# Allegro board SDHCalFEB.brd (continued)
## Routing (per net, layer and track width the routed paths; a pad name or vN(x,y) marks a point on that pad's centre or on a via; arc(x,y) is an arc through that point) (continued)
ESD_SIGNAL58_ASIC_D2: length 3.1
  TOP w0.127: U903.3 222.33,23.26 C1189.1 223.81,21.72 R1141.2
ESD_SIGNAL58_ASIC_D3: length 3
  TOP w0.127: U968.3 141.81,21.17 C1276.1 141.82,21.15 R1224.2
ESD_SIGNAL58_ASIC_D4: length 3.1
  TOP w0.127: R1307.2 61.28,21.3 C1363.1 61.26,22.83 U1033.3
ESD_SIGNAL59_ASIC_A1: length 3.1
  TOP w0.127: U59.3 318.2,260.6 R59.2 C59.1
ESD_SIGNAL59_ASIC_A2: length 3.1
  TOP w0.127: C146.1 R143.2 238.21,262.19 U124.3
ESD_SIGNAL59_ASIC_A3: length 3.1
  TOP w0.127: U189.3 158.19,261.6 158.19,261.6 R226.2 158.19,262.8 158.16,262.83 C233.1
ESD_SIGNAL59_ASIC_A4: length 3.1
  TOP w0.127: C320.1 R309.2 78.18,260.61 U254.3
ESD_SIGNAL59_ASIC_B1: length 3.1
  TOP w0.127: U319.3 318.21,180.62 R392.2 C407.1
ESD_SIGNAL59_ASIC_B5: length 3.1
  TOP w0.127: U384.3 238.23,180.62 R476.2 C494.1
ESD_SIGNAL59_ASIC_B6: length 3.1
  TOP w0.127: U449.3 158.21,182.18 R559.2 C581.1
ESD_SIGNAL59_ASIC_B7: length 3.1
  TOP w0.127: U514.3 78.23,180.65 R642.2 C668.1
ESD_SIGNAL59_ASIC_C1: length 3
  TOP w0.127: U579.3 318.24,100.66 R725.2 C755.1
ESD_SIGNAL59_ASIC_C2: length 3.1
  TOP w0.127: U644.3 238.23,100.64 R809.2 238.18,102.25 C842.1
ESD_SIGNAL59_ASIC_C3: length 3.1
  TOP w0.127: C929.1 R892.2 158.24,100.66 U709.3
ESD_SIGNAL59_ASIC_C4: length 3.1
  TOP w0.127: U774.3 78.23,100.66 R975.2 C1016.1
ESD_SIGNAL59_ASIC_D1: length 3
  TOP w0.127: C1103.1 304.3,26.84 R1058.2 305.79,25.3 U839.3
ESD_SIGNAL59_ASIC_D2: length 3
  TOP w0.127: U904.3 225.3,25.48 R1142.2 225.29,27.03 C1190.1
ESD_SIGNAL59_ASIC_D3: length 3
  TOP w0.127: C1277.1 143.19,27.25 R1225.2 144.68,25.71 U969.3
ESD_SIGNAL59_ASIC_D4: length 3.1
  TOP w0.127: U1034.3 64.21,27.2 R1308.2 62.7,27.22 C1364.1
ESD_SIGNAL60_ASIC_A1: length 3.1
  TOP w0.127: U60.3 328.21,260.6 R60.2 328.21,263.68 C60.1
ESD_SIGNAL60_ASIC_A2: length 3.1
  TOP w0.127: U125.3 248.2,261.59 248.18,261.61 R144.2 248.18,263.09 248.17,263.11 C147.1
ESD_SIGNAL60_ASIC_A3: length 3.1
  TOP w0.127: U190.3 168.22,261.58 168.2,261.6 R227.2 168.2,262.8 168.21,262.81 C234.1
ESD_SIGNAL60_ASIC_A4: length 3.1
  TOP w0.127: C321.1 88.21,263.66 R310.2 86.62,262.2 U255.3
ESD_SIGNAL60_ASIC_B1: length 3.1
  TOP w0.127: C408.1 328.22,182.22 R393.2 328.22,180.64 U320.3
ESD_SIGNAL60_ASIC_B5: length 3.1
  TOP w0.127: U385.3 248.23,180.62 R477.2 248.24,182.22 C495.1
ESD_SIGNAL60_ASIC_B6: length 3.1
  TOP w0.127: U450.3 168.22,180.62 R560.2 168.23,182.22 C582.1
ESD_SIGNAL60_ASIC_B7: length 3.1
  TOP w0.127: C669.1 88.22,182.22 R643.2 88.21,180.65 U515.3
ESD_SIGNAL60_ASIC_C1: length 3.1
  TOP w0.127: C756.1 328.22,102.21 R726.2 328.22,100.66 U580.3
ESD_SIGNAL60_ASIC_C2: length 3.1
  TOP w0.127: C843.1 248.21,102.22 R810.2 248.23,100.66 U645.3
ESD_SIGNAL60_ASIC_C3: length 3.1
  TOP w0.127: C930.1 168.25,102.2 R893.2 168.25,100.68 U710.3
ESD_SIGNAL60_ASIC_C4: length 3.1
  TOP w0.127: U775.3 88.24,100.66 R976.2 88.24,102.21 C1017.1
ESD_SIGNAL60_ASIC_D1: length 3.1
  TOP w0.127: U840.3 303.76,29.56 R1059.2 302.27,29.56 C1104.1
ESD_SIGNAL60_ASIC_D2: length 3
  TOP w0.127: U905.3 223.14,29.69 R1143.2 221.65,29.68 C1191.1
ESD_SIGNAL60_ASIC_D3: length 3
  TOP w0.127: U970.3 143.44,29.87 R1226.2 141.95,29.86 C1278.1
ESD_SIGNAL60_ASIC_D4: length 3
  TOP w0.127: C1365.1 61.43,29.84 R1309.2 62.92,29.84 U1035.3
ESD_SIGNAL61_ASIC_A1: length 3.1
  TOP w0.127: U61.3 330.66,269.73 R61.2 330.67,268.84 330.67,268.83 C61.1
ESD_SIGNAL61_ASIC_A2: length 3.2
  TOP w0.127: C148.1 250.69,268.85 250.67,268.86 R145.2 250.1,269.75 250.09,269.76 U126.3
ESD_SIGNAL61_ASIC_A3: length 3.1
  TOP w0.127: U191.3 170.11,269.73 170.12,269.72 R228.2 170.69,268.82 170.69,268.82 C235.1
ESD_SIGNAL61_ASIC_A4: length 3.1
  TOP w0.127: U256.3 89.08,269.72 R311.2 90.69,269.71 C322.1
ESD_SIGNAL61_ASIC_B1: length 3.1
  TOP w0.127: U321.3 329.07,189.73 R394.2 330.65,189.73 C409.1
ESD_SIGNAL61_ASIC_B5: length 3.1
  TOP w0.127: C496.1 250.67,188.24 R478.2 250.66,189.74 U386.3
ESD_SIGNAL61_ASIC_B6: length 3
  TOP w0.127: U451.3 170.65,189.77 R561.2 170.66,188.27 C583.1
ESD_SIGNAL61_ASIC_B7: length 3.1
  TOP w0.127: U516.3 90.67,189.77 R644.2 90.68,188.27 C670.1
ESD_SIGNAL61_ASIC_C1: length 3.1
  TOP w0.127: C757.1 330.68,109.74 R727.2 329.12,109.74 U581.3
ESD_SIGNAL61_ASIC_C2: length 3
  TOP w0.127: U646.3 249.14,109.74 R811.2 250.67,108.26 C844.1
ESD_SIGNAL61_ASIC_C3: length 3
  TOP w0.127: C931.1 170.66,108.28 R894.2 169.13,109.77 U711.3
ESD_SIGNAL61_ASIC_C4: length 3
  TOP w0.127: C1018.1 90.68,108.28 R977.2 90.67,109.76 U776.3
ESD_SIGNAL62_ASIC_A1: length 3.3
  TOP w0.127: C62.1 R62.2 319.89,269.74 319.39,270.25 U62.3
ESD_SIGNAL62_ASIC_A2: length 3
  TOP w0.127: C149.1 R146.2 240.66,270.29 240.65,270.31 U127.3
ESD_SIGNAL62_ASIC_A3: length 3.3
  TOP w0.127: U192.3 160.27,270.95 160.68,270.54 R229.2 160.68,268.83 160.68,268.82 C236.1
ESD_SIGNAL62_ASIC_A4: length 3.1
  TOP w0.127: C323.1 R312.2 80.67,271.34 U257.3
ESD_SIGNAL62_ASIC_B1: length 3.4
  TOP w0.127: C410.1 R395.2 320.68,190.6 320.24,191.04 U322.3
ESD_SIGNAL62_ASIC_B5: length 3.1
  TOP w0.127: U387.3 240.67,189.73 R479.2 C497.1
ESD_SIGNAL62_ASIC_B6: length 3.1
  TOP w0.127: U452.3 160.68,189.76 R562.2 C584.1
ESD_SIGNAL62_ASIC_B7: length 3
  TOP w0.127: U517.3 80.67,189.76 R645.2 C671.1
ESD_SIGNAL62_ASIC_C1: length 3
  TOP w0.127: U582.3 320.68,109.75 R728.2 C758.1
ESD_SIGNAL62_ASIC_C2: length 3
  TOP w0.127: C845.1 R812.2 240.66,111.3 U647.3
ESD_SIGNAL62_ASIC_C3: length 3
  TOP w0.127: U712.3 160.68,109.77 R895.2 C932.1
ESD_SIGNAL62_ASIC_C4: length 3
  TOP w0.127: C1019.1 80.67,108.28 R978.2 80.67,109.77 U777.3
ESD_SIGNAL63_ASIC_A1: length 3.1
  TOP w0.127: C63.1 310.67,269.71 R63.2 310.68,271.3 U63.3
ESD_SIGNAL63_ASIC_A2: length 3
  TOP w0.127: U128.3 229.27,270.41 229.24,270.37 C150.1 229.83,269.74 229.84,269.72 R147.2
ESD_SIGNAL63_ASIC_A3: length 3.1
  TOP w0.127: R230.2 150.67,269.67 C237.1 149.17,271.26 U193.3
ESD_SIGNAL63_ASIC_A4: length 3
  TOP w0.127: U258.3 69.16,271.27 C324.1 70.65,269.74 R313.2
ESD_SIGNAL63_ASIC_B1: length 3.1
  TOP w0.127: R396.2 309.21,189.73 C411.1 309.19,191.33 U323.3
ESD_SIGNAL63_ASIC_B5: length 3.1
  TOP w0.127: U388.3 229.19,189.75 C498.1 230.67,189.74 R480.2
ESD_SIGNAL63_ASIC_B6: length 3.1
  TOP w0.127: U453.3 149.18,189.77 C585.1 149.19,189.75 R563.2
ESD_SIGNAL63_ASIC_B7: length 3.1
  TOP w0.127: R646.2 69.2,189.75 C672.1 69.19,189.77 U518.3
ESD_SIGNAL63_ASIC_C1: length 3.1
  TOP w0.127: U583.3 309.17,111.3 C759.1 309.18,109.74 R729.2
ESD_SIGNAL63_ASIC_C2: length 3.1
  TOP w0.127: C846.1 229.2,109.74 R813.2 230.68,111.28 U648.3
ESD_SIGNAL63_ASIC_C3: length 3.1
  TOP w0.127: U713.3 149.18,109.76 C933.1 150.66,109.76 R896.2
ESD_SIGNAL63_ASIC_C4: length 3.1
  TOP w0.127: U778.3 69.19,109.78 C1020.1 70.68,109.77 R979.2
ESD_SIGNAL64_ASIC_A1: length 3.1
  TOP w0.127: U64.3 303.85,272.18 303.83,272.19 R64.2 C64.1
ESD_SIGNAL64_ASIC_A2: length 3.1
  TOP w0.127: U129.3 223.85,272.2 223.84,272.21 R148.2 C151.1
ESD_SIGNAL64_ASIC_A3: length 3.1
  TOP w0.127: U194.3 144.82,272.19 R231.2 143.23,272.19 C238.1
ESD_SIGNAL64_ASIC_A4: length 3.1
  TOP w0.127: C325.1 R314.2 64.84,272.21 U259.3
ESD_SIGNAL64_ASIC_B1: length 3.1
  TOP w0.127: C412.1 R397.2 304.74,192.21 U324.3
ESD_SIGNAL64_ASIC_B5: length 3.1
  TOP w0.127: U389.3 223.25,192.2 R481.2 C499.1
ESD_SIGNAL64_ASIC_B6: length 3.1
  TOP w0.127: C586.1 R564.2 144.82,192.19 U454.3
ESD_SIGNAL64_ASIC_B7: length 3.1
  TOP w0.127: U519.3 64.78,192.21 R647.2 C673.1
ESD_SIGNAL64_ASIC_C1: length 3
  TOP w0.127: C760.1 R730.2 304.74,112.2 U584.3
ESD_SIGNAL64_ASIC_C2: length 3.1
  TOP w0.127: U649.3 R814.2 223.2,110.73 C847.1
ESD_SIGNAL64_ASIC_C3: length 3.1
  TOP w0.127: C934.1 R897.2 144.77,112.2 U714.3
ESD_SIGNAL64_ASIC_C4: length 3.1
  TOP w0.127: U779.3 64.73,112.2 R980.2 63.22,110.7 C1021.1
GEM_OUT_A1: length 3.6
  TOP w0.127: R1410.2 332.2,321.79 v2(332.2,320.73) 332.2,320.72 R1.1
  GND1 w0.127: v3(332.2,321.46) v2(332.2,320.73)
  GND3 w0.127: v4(332.2,322.2) v3(332.2,321.46)
GEM_OUT_A2: length 3.8
  TOP w0.127: R2.1 332.2,329.77 ; 332.2,329.77 v2(332.2,330.73) ; 332.2,329.77 332.2,329.77 R1384.2
  GND1 w0.127: v3(332.2,331.46) v2(332.2,330.73)
  GND3 w0.127: v4(332.2,332.2) v3(332.2,331.46)
GEM_OUT_A3: length 3.5
  TOP w0.127: R1392.2 322.2,323.67 v2(322.2,323.67) 322.2,323.68 R3.1
  GND1 w0.127: v3(322.2,322.94) v2(322.2,323.67)
  GND3 w0.127: v4(322.2,322.2) v3(322.2,322.94)
GEM_OUT_A4: length 3.9
  TOP w0.127: R1400.2 319.76,332.78 319.76,332.77 R4.1 320.72,332.2 v2(320.73,332.2)
  GND1 w0.127: v3(321.46,332.2) v2(320.73,332.2)
  GND3 w0.127: v4(322.2,332.2) v3(321.46,332.2)
GEM_OUT_A5: length 3.5
  TOP w0.127: R1393.2 312.19,323.66 v2(312.2,323.67) 312.19,323.69 R5.1
  GND1 w0.127: v3(312.2,322.94) v2(312.2,323.67)
  GND3 w0.127: v4(312.2,322.2) v3(312.2,322.94)
GEM_OUT_A6: length 3.9
  TOP w0.127: R1429.2 309.75,332.77 309.76,332.77 R6.1 310.72,332.19 v2(310.73,332.2)
  GND1 w0.127: v3(311.46,332.2) v2(310.73,332.2)
  GND3 w0.127: v4(312.2,332.2) v3(311.46,332.2)
GEM_OUT_A7: length 1.5
  TOP w0.127: R7.1 300.68,324.64 R1640.1
GEM_OUT_A8: length 4
  TOP w0.127: v2(300.73,332.2) 300.72,332.19 R8.1 299.7,333.7 R1431.2
  GND1 w0.127: v3(301.46,332.2) v2(300.73,332.2)
  GND3 w0.127: v4(302.2,332.2) v3(301.46,332.2)
GEM_OUT_A9: length 4
  TOP w0.127: R1446.2 293.69,324.7 R9.1 292.2,324.7 v2(292.2,323.67)
  GND1 w0.127: v3(292.2,322.94) v2(292.2,323.67)
  GND3 w0.127: v4(292.2,322.2) v3(292.2,322.94)
GEM_OUT_A10: length 3.4
  TOP w0.127: R1418.2 292.2,333.67 v2(292.2,333.67) 292.2,333.68 R10.1
  GND1 w0.127: v3(292.2,332.94) v2(292.2,333.67)
  GND3 w0.127: v4(292.2,332.2) v3(292.2,332.94)
GEM_OUT_A11: length 3.4
  TOP w0.127: R1406.2 282.2,332.72 v2(282.2,333.67) 282.2,333.68 R11.1
  GND1 w0.127: v3(282.2,332.94) v2(282.2,333.67)
  GND3 w0.127: v4(282.2,332.2) v3(282.2,332.94)
GEM_OUT_A12: length 3.5
  TOP w0.127: R1415.2 282.2,322.71 v2(282.2,323.67) 282.2,324.12 282.2,324.12 R12.1
  GND1 w0.127: v3(282.2,322.94) v2(282.2,323.67)
  GND3 w0.127: v4(282.2,322.2) v3(282.2,322.94)
GEM_OUT_A13: length 4
  TOP w0.127: v2(273.67,332.2) 274.69,332.2 R13.1 274.7,332.77 274.7,332.78 R1388.2
  GND1 w0.127: v3(272.94,332.2) v2(273.67,332.2)
  GND3 w0.127: v4(272.2,332.2) v3(272.94,332.2)
GEM_OUT_A14: length 3.5
  TOP w0.127: R1438.2 262.2,330.73 v2(262.2,330.73) 262.18,330.71 R14.1
  GND1 w0.127: v3(262.2,331.46) v2(262.2,330.73)
  GND3 w0.127: v4(262.2,332.2) v3(262.2,331.46)
GEM_OUT_A15: length 3.9
  TOP w0.127: v2(283.67,312.2) 283.67,312.2 R15.1 282.7,312.79 282.7,312.8 R1465.2
  GND1 w0.127: v3(282.94,312.2) v2(283.67,312.2)
  GND3 w0.127: v4(282.2,312.2) v3(282.94,312.2)
GEM_OUT_A16: length 3.4
  TOP w0.127: R1417.2 272.7,322.2 v2(273.67,322.2) 273.68,322.19 R16.1
  GND1 w0.127: v3(272.94,322.2) v2(273.67,322.2)
  GND3 w0.127: v4(272.2,322.2) v3(272.94,322.2)
GEM_OUT_A17: length 3.5
  TOP w0.127: R1398.2 263.21,322.2 v2(263.67,322.2) 264.12,322.2 264.13,322.19 R17.1
  GND1 w0.127: v3(262.94,322.2) v2(263.67,322.2)
  GND3 w0.127: v4(262.2,322.2) v3(262.94,322.2)
GEM_OUT_A18: length 39.5
  TOP w0.127: R1461.2 v2(258.37,320.22) 258.37,320.21 R18.1
  GND1 w0.127: v3(259.11,320.22) v2(258.37,320.22)
  SIG3 w0.127: v3(292.2,312.94) 266.39,312.94 v3(259.11,320.22)
  GND3 w0.127: v4(292.2,312.2) v3(292.2,312.94)
GEM_OUT_A19: length 4
  TOP w0.127: v2(273.67,312.2) 273.67,312.2 R19.1 272.66,311.6 272.67,311.6 R1469.2
  GND1 w0.127: v3(272.94,312.2) v2(273.67,312.2)
  GND3 w0.127: v4(272.2,312.2) v3(272.94,312.2)
GEM_OUT_A20: length 3.4
  TOP w0.127: R1473.2 261.25,313.67 v2(262.2,313.67) 263.16,313.67 R20.1
  GND1 w0.127: v3(262.2,312.94) v2(262.2,313.67)
  GND3 w0.127: v4(262.2,312.2) v3(262.2,312.94)
GEM_OUT_A21: length 44.6
  TOP w0.127: R21.1 261.36,311.46 v2(260.38,311.46) 259.39,311.46 R1457.2
  GND1 w0.127: v3(261.11,311.46) v2(260.38,311.46)
  SIG3 w0.127: v3(302.2,311.46) v3(261.11,311.46)
  GND3 w0.127: v4(302.2,312.2) v3(302.2,311.46)
GEM_OUT_A22: length 10
  TOP w0.127: R1427.2 321.28,312.32 321.28,312.32 R22.1 v2(319.66,312.32)
  GND1 w0.127: v2(319.66,312.32) v3(318.92,312.32)
  SIG3 w0.127: v3(318.92,312.32) 313.62,312.32 313.5,312.2 v3(312.95,312.2)
  GND3 w0.127: v4(312.2,312.2) v3(312.95,312.2)
GEM_OUT_A23: length 3.6
  TOP w0.127: R23.1 322.67,310.71 322.66,310.73 v2(322.2,310.73) 321.71,310.73 321.7,310.72 R1453.2
  GND1 w0.127: v3(322.2,311.46) v2(322.2,310.73)
  GND3 w0.127: v4(322.2,312.2) v3(322.2,311.46)
GEM_OUT_A24: length 3.9
  TOP w0.127: R1452.2 332.78,312.19 332.79,312.2 v2(333.67,312.2) 333.67,311.2 R24.1
  GND1 w0.127: v3(332.94,312.2) v2(333.67,312.2)
  GND3 w0.127: v4(332.2,312.2) v3(332.94,312.2)
GEM_OUT_A25: length 24
  TOP w0.127: R1493.2 273.46,304.01 273.45,304.02 R25.1 v2(271.88,304.02)
  GND1 w0.127: v2(271.88,304.02) v3(272.4,304.54)
  SIG3 w0.127: v3(291.55,302.2) 282.56,302.2 280.22,304.54 v3(272.4,304.54)
  GND3 w0.127: v4(292.2,302.2) v3(291.55,302.2)
GEM_OUT_A26: length 10.1
  TOP w0.127: v2(274.57,302.2) 275.56,302.2 R26.1 275.57,301.61 275.57,301.6 R1497.2
  GND1 w0.127: v3(275.31,302.2) v2(274.57,302.2)
  SIG3 w0.127: v3(281.46,302.2) v3(275.31,302.2)
  GND3 w0.127: v4(282.2,302.2) v3(281.46,302.2)
GEM_OUT_A27: length 15.7
  TOP w0.127: R1485.2 v2(322.35,305.26) 322.35,304.3 R27.1
  GND1 w0.127: v3(322.35,304.52) v2(322.35,305.26)
  SIG3 w0.127: v3(322.35,304.52) 321.21,303.38 314.11,303.38 312.94,302.2 v3(311.46,302.2)
  GND3 w0.127: v4(312.2,302.2) v3(311.46,302.2)
GEM_OUT_A28: length 3.5
  TOP w0.127: R1481.2 322.01,302.94 v2(322.94,302.94) 323.97,302.94 R28.1
  GND1 w0.127: v3(322.94,302.2) v2(322.94,302.94)
  GND3 w0.127: v4(322.2,302.2) v3(322.94,302.2)
GEM_OUT_A29: length 4
  TOP w0.127: R1477.2 330.73,302.65 330.73,302.64 v2(330.73,302.2) 329.72,302.2 R29.1
  GND1 w0.127: v3(331.46,302.2) v2(330.73,302.2)
  GND3 w0.127: v4(332.2,302.2) v3(331.46,302.2)
GEM_OUT_A30: length 3.5
  TOP w0.127: R1501.2 272.02,301.46 272.01,301.46 v2(271.46,301.46) 270.64,301.46 R30.1
  GND1 w0.127: v3(271.46,302.2) v2(271.46,301.46)
  GND3 w0.127: v4(272.2,302.2) v3(271.46,302.2)
GEM_OUT_A31: length 40.8
  TOP w0.127: R1489.2 264.16,306.35 264.17,306.35 R31.1 264.77,306.35 v2(265.76,306.35)
  GND1 w0.127: v3(266.28,305.83) v2(265.76,306.35)
  SIG3 w0.127: v3(301.46,302.2) 300.72,302.95 287.96,302.95 287.76,302.74 283.11,302.74 280.02,305.83 v3(266.28,305.83)
  GND3 w0.127: v4(302.2,302.2) v3(301.46,302.2)
GEM_OUT_A32: length 4.1
  TOP w0.127: R32.1 v2(262.94,301.46) 262.26,301.46 262,301.2 R1505.2
  GND1 w0.127: v3(262.2,301.46) v2(262.94,301.46)
  GND3 w0.127: v4(262.2,302.2) v3(262.2,301.46)
GEM_OUT_A33: length 4
  TOP w0.127: R33.1 262.18,293.69 v2(262.2,293.67) 261.27,293.67 261.26,293.68 R1537.2
  GND1 w0.127: v3(262.2,292.94) v2(262.2,293.67)
  GND3 w0.127: v4(262.2,292.2) v3(262.2,292.94)
GEM_OUT_A34: length 33.3
  TOP w0.127: v2(263.25,287.99) R34.1 R1525.2
  GND1 w0.127: v2(263.25,287.99) v3(263.98,287.99)
  SIG3 w0.127: v3(291.46,292.2) 283.08,292.2 278.87,287.99 v3(263.98,287.99)
  GND3 w0.127: v4(292.2,292.2) v3(291.46,292.2)
GEM_OUT_A35: length 5.5
  TOP w0.127: R35.1 268.59,292.26 268.65,292.2 v2(270.73,292.2) 270.73,292.64 270.73,292.65 270.73,293.5 R1533.2
  GND1 w0.127: v2(270.73,292.2) v3(271.46,292.2)
  GND3 w0.127: v4(272.2,292.2) v3(271.46,292.2)
GEM_OUT_A36: length 36.8
  TOP w0.127: R1521.2 270.51,286.81 270.5,286.82 v2(270.06,286.82) R36.1
  GND1 w0.127: v2(270.06,286.82) v3(270.79,286.82)
  SIG3 w0.127: v3(301.46,292.2) 300.58,291.31 285.24,291.31 280.75,286.82 v3(270.79,286.82)
  GND3 w0.127: v4(302.2,292.2) v3(301.46,292.2)
GEM_OUT_A37: length 3.4
  TOP w0.127: R37.1 332.72,292.2 v2(333.67,292.2) 334.66,292.2 R1509.2
  GND1 w0.127: v3(332.94,292.2) v2(333.67,292.2)
  GND3 w0.127: v4(332.2,292.2) v3(332.94,292.2)
GEM_OUT_A38: length 4
  TOP w0.127: R1513.2 323.8,292.93 323.8,292.94 v2(322.94,292.94) 322.94,293.43 322.94,293.44 R38.1
  GND1 w0.127: v3(322.2,292.94) v2(322.94,292.94)
  GND3 w0.305: v4(322.2,292.2) v3(322.2,292.94)
GEM_OUT_A39: length 16.7
  TOP w0.127: v2(326.24,291.64) R39.1 327.8,291.64 327.8,291.63 R1517.2
  GND1 w0.127: v2(326.24,291.64) v3(325.5,291.64)
  SIG3 w0.127: v3(325.5,291.64) 313.56,291.64 v3(313,292.2)
  GND3 w0.127: v4(312.2,292.2) v3(313,292.2)
GEM_OUT_A40: length 8.1
  TOP w0.127: R1529.2 R40.1 277.76,289.23 v2(280.73,292.2)
  GND1 w0.127: v3(281.46,292.2) v2(280.73,292.2)
  GND3 w0.127: v4(282.2,292.2) v3(281.46,292.2)
GEM_OUT_A41: length 4
  TOP w0.127: R1569.2 259.63,283.24 v2(261.16,283.24) 261.16,284.22 R41.1
  GND1 w0.127: v3(261.68,282.72) v2(261.16,283.24)
  GND3 w0.127: v4(262.2,282.2) v3(261.68,282.72)
GEM_OUT_A42: length 33.5
  TOP w0.127: R1557.2 262.68,278.44 262.69,278.43 v2(263.61,278.43) R42.1
  GND1 w0.127: v3(263.61,279.17) v2(263.61,278.43)
  SIG3 w0.127: v3(292.2,281.46) 289.91,279.17 v3(263.61,279.17)
  GND3 w0.127: v4(292.2,282.2) v3(292.2,281.46)
GEM_OUT_A43: length 4
  TOP w0.127: R1600.2 261.26,273.69 261.28,273.67 v2(262.2,273.67) 262.2,274.64 R43.1
  GND1 w0.127: v3(262.2,272.94) v2(262.2,273.67)
  GND3 w0.127: v4(262.2,272.2) v3(262.2,272.94)
GEM_OUT_A44: length 4
  TOP w0.127: R44.1 271,281.46 271,281.46 v2(271.46,281.46) 271.46,280.58 271.45,280.57 R1565.2
  GND1 w0.127: v2(271.46,281.46) v3(272.2,281.46)
  GND3 w0.127: v4(272.2,282.2) v3(272.2,281.46)
GEM_OUT_A45: length 35.4
  TOP w0.127: R1553.2 272.89,273.31 272.9,273.3 v2(273.89,273.3) R45.1
  GND1 w0.127: v3(273.89,274.08) v2(273.89,273.3)
  SIG3 w0.127: v3(302.2,281.46) 300.92,281.46 297.87,278.41 278.22,278.41 v3(273.89,274.08)
  GND3 w0.127: v4(302.2,282.2) v3(302.2,281.46)
GEM_OUT_A46: length 3.5
  TOP w0.127: R46.1 271.47,271.45 v2(271.46,271.46) 270.45,271.46 R1596.2
  GND1 w0.127: v3(272.2,271.46) v2(271.46,271.46)
  GND3 w0.127: v4(272.2,272.2) v3(272.2,271.46)
GEM_OUT_A47: length 3.9
  TOP w0.127: v2(332.2,283.67) 332.19,283.68 R47.1 R1541.2
  GND1 w0.127: v3(332.2,282.94) v2(332.2,283.67)
  GND3 w0.127: v4(332.2,282.2) v3(332.2,282.94)
GEM_OUT_A48: length 4
  TOP w0.127: v2(323.67,282.2) 324.73,282.2 R48.1 R1545.2
  GND1 w0.127: v3(322.94,282.2) v2(323.67,282.2)
  GND3 w0.127: v4(322.2,282.2) v3(322.94,282.2)
GEM_OUT_A49: length 10.7
  TOP w0.127: 319.35,282.2 v2(319.35,282.2) ; 319.35,282.2 R1549.2 ; 319.35,282.2 R49.1
  GND1 w0.127: v3(318.61,282.2) v2(319.35,282.2)
  SIG3 w0.127: v3(312.2,281.46) 312.94,282.2 v3(318.61,282.2)
  GND3 w0.127: v4(312.2,282.2) v3(312.2,281.46)
GEM_OUT_A50: length 3.5
  TOP w0.127: R50.1 282.21,280.72 v2(282.2,280.73) 282.21,280.74 R1561.2
  GND1 w0.127: v3(282.2,281.46) v2(282.2,280.73)
  GND3 w0.127: v4(282.2,282.2) v3(282.2,281.46)
GEM_OUT_A51: length 3.6
  TOP w0.127: R51.1 262.19,264.13 262.2,264.12 v2(262.2,263.67) 262.2,262.7 R1632.2
  GND1 w0.127: v3(262.2,262.94) v2(262.2,263.67)
  GND3 w0.127: v4(262.2,262.2) v3(262.2,262.94)
GEM_OUT_A52: length 4
  TOP w0.127: v2(270.73,262.2) R52.1 270.15,263.2 270.15,263.19 R1628.2
  GND1 w0.127: v3(271.46,262.2) v2(270.73,262.2)
  GND3 w0.127: v4(272.2,262.2) v3(271.46,262.2)
GEM_OUT_A53: length 3.9
  TOP w0.127: R53.1 282.43,271.46 v2(281.46,271.46) 281.46,270.02 R1592.2
  GND1 w0.127: v3(281.46,272.2) v2(281.46,271.46)
  GND3 w0.127: v4(282.2,272.2) v3(281.46,272.2)
GEM_OUT_A54: length 3.6
  TOP w0.127: R54.1 v2(280.73,262.2) R1624.2
  GND1 w0.127: v3(281.46,262.2) v2(280.73,262.2)
  GND3 w0.127: v4(282.2,262.2) v3(281.46,262.2)
GEM_OUT_A55: length 3.5
  TOP w0.127: R55.1 v2(290.73,262.2) R1620.2
  GND1 w0.127: v3(291.46,262.2) v2(290.73,262.2)
  GND3 w0.127: v4(292.2,262.2) v3(291.46,262.2)
GEM_OUT_A56: length 4.1
  TOP w0.127: R1588.2 290.73,270.7 v2(290.73,272.2) 290.72,272.21 R56.1
  GND1 w0.127: v3(291.46,272.2) v2(290.73,272.2)
  GND3 w0.127: v4(292.2,272.2) v3(291.46,272.2)
GEM_OUT_A57: length 4
  TOP w0.127: R57.1 v2(300.73,262.2) 300.73,260.71 R1616.2
  GND1 w0.127: v3(301.46,262.2) v2(300.73,262.2)
  GND3 w0.127: v4(302.2,262.2) v3(301.46,262.2)
GEM_OUT_A58: length 4
  TOP w0.127: R58.1 v2(310.73,262.2) 310.73,260.73 R1612.2
  GND1 w0.127: v3(311.46,262.2) v2(310.73,262.2)
  GND3 w0.127: v4(312.2,262.2) v3(311.46,262.2)
GEM_OUT_A59: length 3.5
  TOP w0.127: R1608.2 v2(320.73,262.2) R59.1
  GND1 w0.127: v3(321.46,262.2) v2(320.73,262.2)
  GND3 w0.127: v4(322.2,262.2) v3(321.46,262.2)
GEM_OUT_A60: length 3.4
  TOP w0.127: R1604.2 331.7,262.2 v2(330.73,262.2) R60.1
  GND1 w0.127: v3(331.46,262.2) v2(330.73,262.2)
  GND3 w0.127: v4(332.2,262.2) v3(331.46,262.2)
GEM_OUT_A61: length 4
  TOP w0.127: R61.1 332.2,269.72 v2(332.2,270.73) 333.71,270.73 R1573.2
  GND1 w0.127: v3(332.2,271.46) v2(332.2,270.73)
  GND3 w0.127: v4(332.2,272.2) v3(332.2,271.46)
GEM_OUT_A62: length 3.5
  TOP w0.127: R1577.2 322.2,271.71 v2(322.2,270.73) 322.2,269.76 R62.1
  GND1 w0.127: v2(322.2,270.73) v3(322.2,271.46)
  GND3 w0.127: v4(322.2,272.2) v3(322.2,271.46)
GEM_OUT_A63: length 4
  TOP w0.127: v2(312.2,270.73) 312.2,269.7 R63.1 R1581.2
  GND1 w0.127: v3(312.2,271.46) v2(312.2,270.73)
  GND3 w0.127: v4(312.2,272.2) v3(312.2,271.46)
GEM_OUT_A64: length 4
  TOP w0.127: v2(300.73,272.2) 301.73,272.2 R64.1 301.74,272.79 301.72,272.8 R1584.2
  GND1 w0.127: v3(301.46,272.2) v2(300.73,272.2)
  GND3 w0.127: v4(302.2,272.2) v3(301.46,272.2)
GEM_OUT_B1: length 5
  TOP w0.127: R1390.2 252.2,321.69 v2(252.2,320.73) 252.2,320.72 R85.1
  GND1 w0.127: v3(252.2,321.46) v2(252.2,320.73)
  GND3 w0.127: v4(252.2,322.2) v3(252.2,321.46)
GEM_OUT_B2: length 3.4
  TOP w0.127: R86.1 252.2,334.64 v2(252.2,333.67) 252.2,333.67 R1399.2
  GND1 w0.127: v3(252.2,332.94) v2(252.2,333.67)
  GND3 w0.127: v4(252.2,332.2) v3(252.2,332.94)
GEM_OUT_B3: length 3.5
  TOP w0.127: R1441.2 242.2,322.67 v2(242.2,323.67) 242.2,324.68 R87.1
  GND1 w0.127: v3(242.2,322.94) v2(242.2,323.67)
  GND3 w0.127: v4(242.2,322.2) v3(242.2,322.94)
GEM_OUT_B4: length 3.5
  TOP w0.127: R88.1 241.75,332.2 v2(240.73,332.2) 239.78,332.2 R1401.2
  GND1 w0.127: v3(241.46,332.2) v2(240.73,332.2)
  GND3 w0.127: v4(242.2,332.2) v3(241.46,332.2)
GEM_OUT_B5: length 3.5
  TOP w0.127: R1443.2 232.21,323.67 v2(232.2,323.67) 232.2,324.69 R89.1
  GND1 w0.127: v3(232.2,322.94) v2(232.2,323.67)
  GND3 w0.127: v4(232.2,322.2) v3(232.2,322.94)
GEM_OUT_B6: length 4
  TOP w0.127: R1403.2 230.73,333.7 v2(230.73,332.2) 230.72,332.21 R90.1
  GND1 w0.127: v3(231.46,332.2) v2(230.73,332.2)
  GND3 w0.127: v4(232.2,332.2) v3(231.46,332.2)
GEM_OUT_B7: length 3.5
  TOP w0.127: R91.1 222.2,324.68 v2(222.2,323.67) 222.2,323.67 R1412.2
  GND1 w0.127: v3(222.2,322.94) v2(222.2,323.67)
  GND3 w0.127: v4(222.2,322.2) v3(222.2,322.94)
GEM_OUT_B8: length 4
  TOP w0.127: R92.1 219.72,332.2 v2(220.73,332.2) 220.73,333.13 220.73,333.13 R1386.2
  GND1 w0.127: v3(221.46,332.2) v2(220.73,332.2)
  GND3 w0.127: v4(222.2,332.2) v3(221.46,332.2)
GEM_OUT_B9: length 4
  TOP w0.127: R1414.2 213.12,323.67 213.12,323.67 v2(212.2,323.67) 212.2,324.68 R93.1
  GND1 w0.127: v3(212.2,322.94) v2(212.2,323.67)
  GND3 w0.127: v4(212.2,322.2) v3(212.2,322.94)
GEM_OUT_B10: length 3.6
  TOP w0.127: R94.1 212.22,334.15 212.2,334.13 v2(212.2,333.67) 212.19,333.66 R1433.2
  GND1 w0.127: v3(212.2,332.94) v2(212.2,333.67)
  GND3 w0.127: v4(212.2,332.2) v3(212.2,332.94)
GEM_OUT_B11: length 3.6
  TOP w0.127: R95.1 202.21,334.13 202.2,334.12 v2(202.2,333.67) 202.2,333.22 202.21,333.21 R1435.2
  GND1 w0.127: v3(202.2,332.94) v2(202.2,333.67)
  GND3 w0.127: v4(202.2,332.2) v3(202.2,332.94)
GEM_OUT_B12: length 3.6
  TOP w0.127: R1416.2 202.21,323.66 v2(202.2,323.67) 202.2,324.12 202.21,324.12 R96.1
  GND1 w0.127: v3(202.2,322.94) v2(202.2,323.67)
  GND3 w0.127: v4(202.2,322.2) v3(202.2,322.94)
GEM_OUT_B13: length 1.5
  TOP w0.127: R97.1 197.67,332.2 R1641.1
GEM_OUT_B14: length 3.5
  TOP w0.127: R98.1 182.2,329.7 v2(182.2,330.73) 182.2,331.73 R1408.2
  GND1 w0.127: v3(182.2,331.46) v2(182.2,330.73)
  GND3 w0.127: v4(182.2,332.2) v3(182.2,331.46)
GEM_OUT_B15: length 4
  TOP w0.127: R1466.2 R99.1 202.68,312.2 v2(203.67,312.2)
  GND1 w0.127: v3(202.94,312.2) v2(203.67,312.2)
  GND3 w0.127: v4(202.2,312.2) v3(202.94,312.2)
GEM_OUT_B16: length 3.5
  TOP w0.127: R100.1 v2(193.67,322.2) R1397.2
  GND1 w0.127: v3(192.94,322.2) v2(193.67,322.2)
  GND3 w0.127: v4(192.2,322.2) v3(192.94,322.2)
GEM_OUT_B17: length 3.5
  TOP w0.127: R101.1 v2(183.67,322.2) R1450.2
  GND1 w0.127: v3(182.94,322.2) v2(183.67,322.2)
  GND3 w0.127: v4(182.2,322.2) v3(182.94,322.2)
GEM_OUT_B18: length 40.1
  TOP w0.127: R102.1 v2(177.75,320.07) R1462.2
  GND1 w0.127: v3(178.49,320.07) v2(177.75,320.07)
  SIG3 w0.127: v3(212.2,312.94) 205.07,320.07 v3(178.49,320.07)
  GND3 w0.127: v4(212.2,312.2) v3(212.2,312.94)
GEM_OUT_B19: length 3.4
  TOP w0.127: R103.1 192.72,312.2 v2(193.67,312.2) 194.63,312.2 R1470.2
  GND1 w0.127: v3(192.94,312.2) v2(193.67,312.2)
  GND3 w0.127: v4(192.2,312.2) v3(192.94,312.2)
GEM_OUT_B20: length 3.6
  TOP w0.127: R104.1 182.69,313.66 182.68,313.67 v2(182.2,313.67) 181.73,313.67 181.72,313.66 R1474.2
  GND1 w0.127: v3(182.2,312.94) v2(182.2,313.67)
  GND3 w0.127: v4(182.2,312.2) v3(182.2,312.94)